# Altium PCB KlusterLab r2.0.PcbDoc (part 13 of 22)
Units mm, origin at the board's own origin, x right, y up, seen from the top; angles counter-clockwise.
Board outline 232 x 250 mm, 12 copper layers (L1 Top, L2 Inner1 (GND), L3 Inner2 (Sig), L4 Inner3 (GND), L5 Inner4 (PWR), L6 Inner5 (PWR), L7 Inner6 (PWR), L8 Inner7 (PWR), L9 Inner8 (GND), L10 Inner9 (Sig), L11 Inner10 (GND), L12 Bottom), stack 1.614 mm thick; 1169 components, 852 nets, 4679 pads, 5115 vias.
Unrouted connection lines stored in the file: 1.
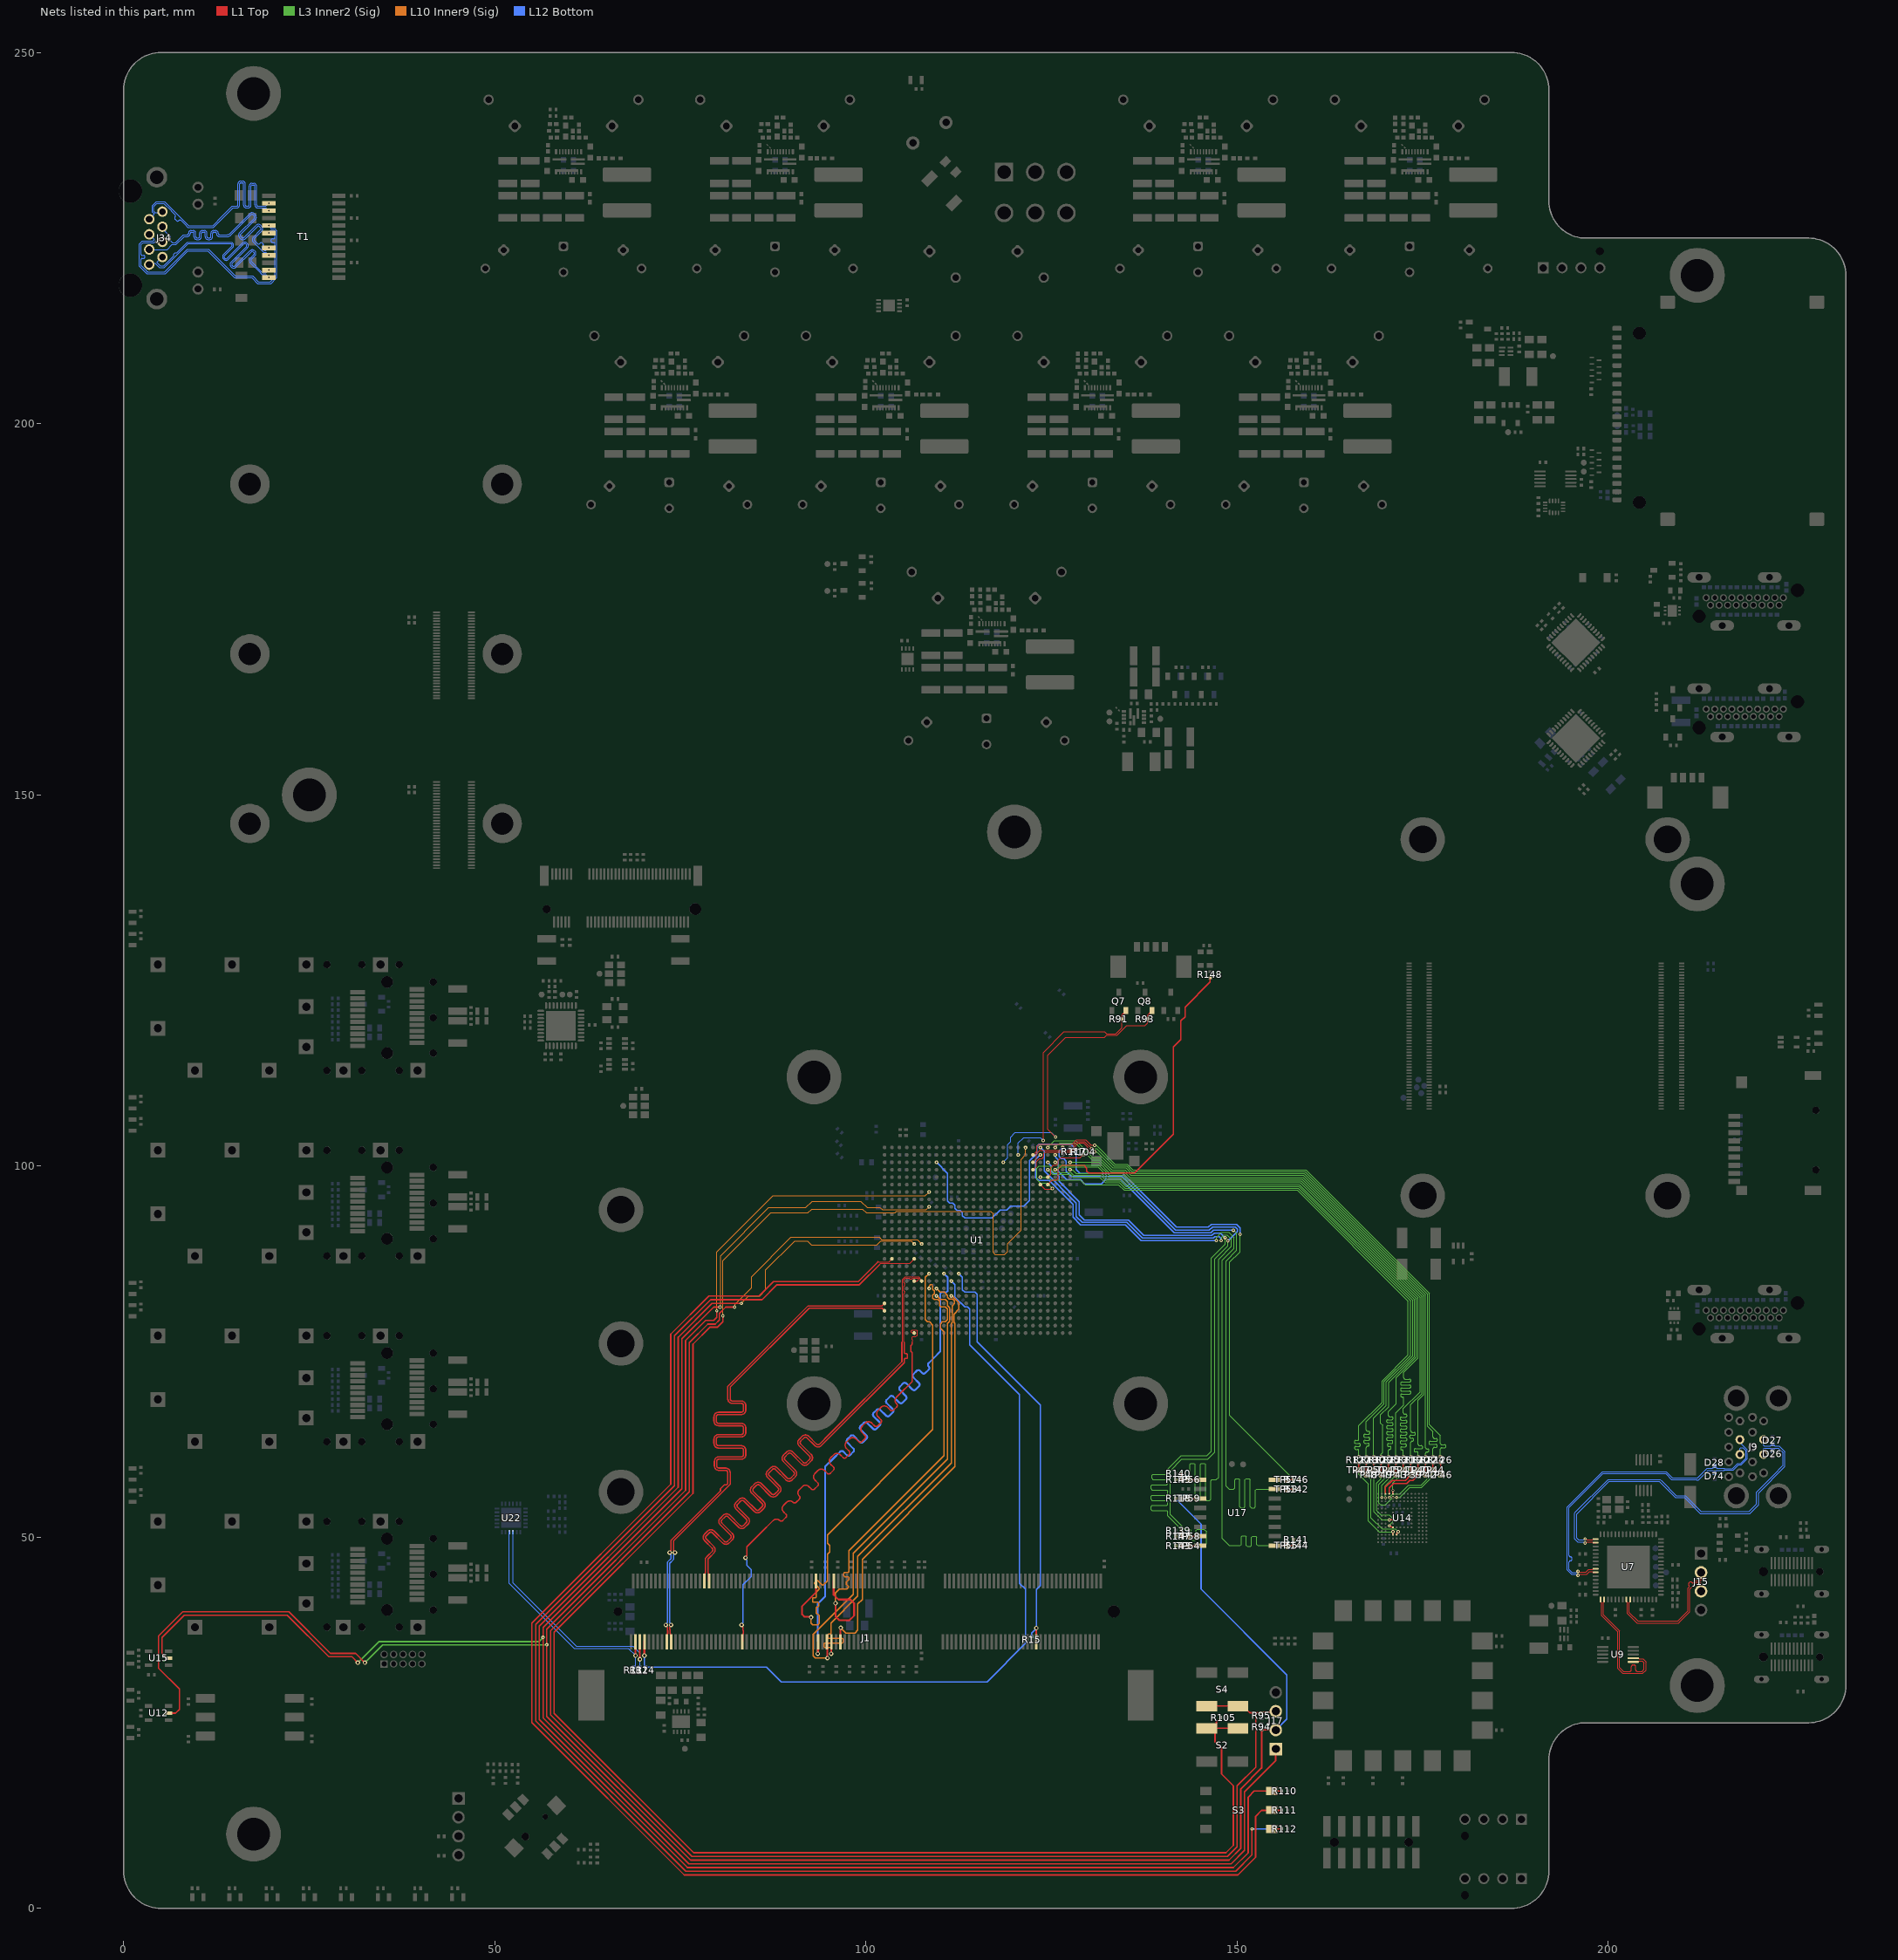
[diagram p23: the nets of this part, all layers, seen from the top]

## Via types
v1: diameter 0.45, hole 0.2, L1 Top to L12 Bottom, tented both sides, 4200 vias
v2: diameter 0.6, hole 0.3, L1 Top to L12 Bottom, tented both sides, 908 vias
v3: diameter 0.4, hole 0.2, L1 Top to L12 Bottom, tented both sides, 7 vias

## Nets (pads, with @x,y where several pads share a name; then routed paths per layer and width w, separated by ;. In a path a pad name is that pad's centre, name@x,y a point inside that pad or via, vN(x,y) a via of type N, cw(c..) or ccw(c..) an arc to the next point about the centre after c; other vN are vias at no path point) (continued)
DDR3_DQS5_P: J1.154 U1.AF5 | length 69.1
  L1 Top w0.1: 106.242,76.242 106.3,76.3 106.3,76.5 106.2,76.6 106.2,76.7 106.2,76.9 106.3,77 106.7,77 106.9,77.2 106.9,77.8 106.8,77.9 106.2,77.9 106.1,77.8 106.1,77.635 106.159,77.577 106.423,77.577 U1.AF5@106.5,77.5
  L1 Top w0.189: v2(83.246,38.171) 83.246,38.059 83.439,37.867 83.439,37.457 83.492,37.404 83.492,37.017 83.431,36.956 83.431,35.981 J1.154@83.35,35.9 ; v2(83.754,47.229) 83.754,47.341 83.946,47.533 83.946,48.692 85.777,50.523 87.507,52.253 cw(c87.94,51.82) 88.374,52.253 ccw(c88.584,52.463) 88.794,52.253 89.214,52.674 ccw(c89.004,52.884) 89.214,53.094 88.892,53.415 cw(c89.326,53.849) 88.892,54.282 89.313,54.702 cw(c89.746,54.269) 90.179,54.702 ; 90.179,54.702 ccw(c90.389,54.912) 90.599,54.702 91.019,55.122 ccw(c90.809,55.332) 91.019,55.542 cw(c91.452,55.976) 91.019,56.409 91.439,56.829 cw(c91.873,56.396) 92.306,56.829 92.652,56.483 ccw(c92.862,56.693) 93.072,56.483 93.492,56.903 ccw(c93.282,57.113) 93.492,57.323 93.114,57.701 cw(c93.548,58.134) 93.114,58.568 93.535,58.988 cw(c93.968,58.555) 94.401,58.988 94.781,58.608 ccw(c94.991,58.818) 95.201,58.608 95.621,59.028 ccw(c95.411,59.238) 95.621,59.448 95.241,59.828 cw(c95.675,60.261) 95.241,60.695 95.662,61.115 cw(c96.095,60.682) 96.528,61.115 96.908,60.735 ccw(c97.118,60.945) 97.328,60.735 97.748,61.155 ccw(c97.538,61.365) 97.748,61.575 97.368,61.955 cw(c97.802,62.388) 97.368,62.822 97.789,63.242 cw(c98.222,62.809) 98.655,63.242 99.035,62.862 ccw(c99.245,63.072) 99.455,62.862 99.875,63.282 ccw(c99.665,63.492) 99.875,63.702 99.495,64.082 cw(c99.928,64.515) 99.495,64.949 99.915,65.369 cw(c100.349,64.936) 100.782,65.369 101.162,64.989 ccw(c101.372,65.199) 101.582,64.989 102.002,65.409 ccw(c101.792,65.619) 102.002,65.829 101.622,66.209 cw(c102.055,66.642) 101.622,67.076 102.042,67.496 cw(c102.476,67.063) 102.909,67.496 103.289,67.116 ccw(c103.499,67.326) 103.709,67.116 104.129,67.536 ccw(c103.919,67.746) 104.129,67.956 104.103,67.982 cw(c104.536,68.416) 104.103,68.849 104.281,69.027 106.242,70.988 106.242,74.844 106.044,75.042 106.044,75.8 106.242,75.998 106.242,76.242
  L12 Bottom w0.189: v2(83.246,38.171) 83.246,38.282 83.439,38.474 83.439,43.585 84.517,44.663 84.517,45.652 83.946,46.224 83.946,46.926 83.754,47.118 v2(83.754,47.229)
DDR3_DQS6_N: J1.169 U1.W5 | length 89.3
  L1 Top w0.1: 105.158,76.242 105.1,76.3 105.1,82.8 105.2,82.9 105.2,83.1 105.1,83.2 105.1,83.8 105.2,83.9 105.2,84.2 105.1,84.3 105.1,84.666 105.334,84.9 105.8,84.9 105.9,84.8 106.2,84.8 106.3,84.9 106.621,84.9 107.041,84.9 107.1,84.841 107.1,84.734 106.866,84.5 U1.W5@106.5,84.5
  L1 Top w0.189: J1.169@78.85,44.1 78.769,44.181 78.769,45.156 78.708,45.217 78.708,47.062 78.897,47.251 79.505,47.859 ccw(c79.072,48.292) 79.505,48.725 78.476,49.755 cw(c78.686,49.965) 78.476,50.175 78.896,50.595 cw(c79.106,50.385) 79.316,50.595 80.699,49.212 ccw(c81.132,49.645) 81.565,49.212 81.986,49.632 ccw(c81.552,50.065) 81.986,50.499 80.585,51.899 cw(c80.795,52.109) 80.585,52.319 81.005,52.74 cw(c81.215,52.53) 81.425,52.74 82.826,51.339 ccw(c83.259,51.772) 83.692,51.339 84.113,51.759 ccw(c83.679,52.192) 84.113,52.626 82.712,54.026 cw(c82.922,54.236) 82.712,54.446 83.132,54.867 cw(c83.342,54.657) 83.552,54.867 84.953,53.466 ccw(c85.386,53.899) 85.819,53.466 86.24,53.886 ccw(c85.806,54.319) 86.24,54.753 84.839,56.153 cw(c85.049,56.363) 84.839,56.573 85.259,56.994 cw(c85.469,56.784) 85.679,56.994 87.08,55.593 ccw(c87.513,56.026) 87.946,55.593 88.367,56.013 ccw(c87.933,56.446) 88.367,56.88 86.966,58.28 cw(c87.176,58.49) 86.966,58.7 87.386,59.121 cw(c87.596,58.91) 87.806,59.121 89.207,57.72 ccw(c89.64,58.153) 90.073,57.72 90.493,58.14 ccw(c90.06,58.573) 90.493,59.007 89.093,60.407 cw(c89.303,60.617) 89.093,60.827 89.513,61.248 cw(c89.723,61.037) 89.933,61.248 91.334,59.847 ccw(c91.767,60.28) 92.2,59.847 92.62,60.267 ; 92.62,60.267 ccw(c92.187,60.7) 92.62,61.134 91.22,62.534 cw(c91.43,62.744) 91.22,62.954 91.64,63.375 cw(c91.85,63.164) 92.06,63.375 93.107,62.328 ccw(c93.54,62.761) 93.974,62.327 95.215,63.569 104.617,72.971 105.158,73.512 105.158,73.893 cw(c105.346,73.893) 105.346,74.081 105.426,74.081 ccw(c105.426,74.241) 105.586,74.241 105.586,74.56 ccw(c105.426,74.56) 105.426,74.72 105.346,74.72 cw(c105.346,74.908) 105.158,74.908 105.158,76.1 105.158,76.242
DDR3_DQS6_P: J1.171 U1.W6 | length 89.4
  L1 Top w0.1: 104.842,76.242 104.9,76.3 104.9,84.749 105.251,85.1 106.883,85.1 ; 106.2,85.1 106.666,85.1 107.124,85.1 107.3,84.924 107.3,84.759 107.5,84.559 U1.W6@107.5,84.5
  L1 Top w0.189: J1.171@78.25,44.1 78.331,44.181 78.331,45.156 78.392,45.217 78.392,47.192 78.674,47.474 79.282,48.082 ccw(c79.072,48.292) 79.282,48.502 78.253,49.532 cw(c78.686,49.965) 78.253,50.398 78.673,50.818 cw(c79.106,50.385) 79.539,50.818 80.922,49.435 ccw(c81.132,49.645) 81.342,49.435 81.762,49.855 ccw(c81.552,50.065) 81.762,50.276 80.362,51.676 cw(c80.795,52.109) 80.362,52.543 80.782,52.963 cw(c81.215,52.53) 81.648,52.963 83.049,51.562 ccw(c83.259,51.772) 83.469,51.562 83.889,51.982 ccw(c83.679,52.192) 83.889,52.403 82.489,53.803 cw(c82.922,54.236) 82.489,54.67 82.909,55.09 cw(c83.342,54.657) 83.775,55.09 85.176,53.689 ccw(c85.386,53.899) 85.596,53.689 86.016,54.109 ccw(c85.806,54.319) 86.016,54.53 84.616,55.93 cw(c85.049,56.363) 84.616,56.796 85.036,57.217 cw(c85.469,56.784) 85.902,57.217 87.303,55.816 ccw(c87.513,56.026) 87.723,55.816 88.143,56.236 ccw(c87.933,56.446) 88.143,56.657 86.743,58.057 cw(c87.176,58.49) 86.743,58.923 87.163,59.344 cw(c87.596,58.91) 88.029,59.344 89.43,57.943 ccw(c89.64,58.153) 89.85,57.943 90.27,58.363 ccw(c90.06,58.573) 90.27,58.783 88.87,60.184 cw(c89.303,60.617) 88.87,61.05 89.29,61.471 cw(c89.723,61.037) 90.156,61.471 91.557,60.07 ccw(c91.767,60.28) 91.977,60.07 92.397,60.49 ccw(c92.187,60.7) 92.397,60.91 90.997,62.311 cw(c91.43,62.744) 90.997,63.177 91.417,63.598 cw(c91.85,63.164) 92.283,63.598 93.33,62.551 ccw(c93.54,62.761) 93.751,62.551 94.992,63.792 104.842,73.642 104.842,76.242
DDR3_DQS7_N: J1.186 U1.AC1 | length 84.4
  L1 Top w0.189: v2(73.746,38.171) 73.746,38.059 73.554,37.867 73.554,37.588 73.608,37.534 73.608,37.017 73.669,36.956 73.669,35.981 J1.186@73.75,35.9 ; v2(74.254,47.929) 74.254,48.041 74.061,48.233 74.061,49.461 81.7,57.1 81.7,57.8 81.7,58.702 ccw(c81.087,58.702) 81.087,59.315 80.187,59.315 cw(c80.187,59.612) 79.889,59.612 79.889,60.206 cw(c80.187,60.206) 80.187,60.503 83.196,60.503 ccw(c83.196,61.116) 83.809,61.116 83.809,61.71 ccw(c83.196,61.71) 83.196,62.323 80.13,62.323 cw(c80.13,62.62) 79.833,62.62 79.833,63.214 cw(c80.13,63.214) 80.13,63.511 83.196,63.511 ccw(c83.196,64.124) 83.809,64.124 83.809,64.718 ccw(c83.196,64.718) 83.196,65.331 80.13,65.331 cw(c80.13,65.628) 79.833,65.628 79.833,66.222 cw(c80.13,66.222) 80.13,66.519 83.196,66.519 ccw(c83.196,67.132) 83.809,67.132 83.809,67.726 ccw(c83.196,67.726) 83.196,68.339 81.997,68.339 cw(c81.997,68.636) 81.7,68.636 81.7,68.888 81.7,70.2 92.342,80.842 102.158,80.842 U1.AC1@102.5,80.5
  L12 Bottom w0.189: v2(73.746,38.171) 73.746,38.282 73.554,38.474 73.554,41.993 73.556,41.995 73.556,46.482 74.061,46.987 74.061,47.626 74.254,47.818 v2(74.254,47.929)
DDR3_DQS7_P: J1.188 U1.AB1 | length 85.1
  L1 Top w0.189: v2(73.046,38.171) 73.046,38.059 73.239,37.867 73.239,37.457 73.292,37.404 73.292,37.017 73.231,36.956 73.231,35.981 J1.188@73.15,35.9 ; v2(73.554,47.929) 73.554,48.041 73.746,48.233 73.746,49.592 80.396,56.242 80.396,56.522 80.932,57.058 81.212,57.058 81.384,57.231 81.384,57.8 81.384,58.702 ccw(c81.087,58.702) 81.087,58.999 80.187,58.999 cw(c80.187,59.612) 79.574,59.612 79.574,60.206 cw(c80.187,60.206) 80.187,60.819 83.196,60.819 ccw(c83.196,61.116) 83.493,61.116 83.493,61.71 ccw(c83.196,61.71) 83.196,62.007 80.13,62.007 cw(c80.13,62.62) 79.518,62.62 79.518,63.214 cw(c80.13,63.214) 80.13,63.827 83.196,63.827 ccw(c83.196,64.124) 83.493,64.124 83.493,64.718 ccw(c83.196,64.718) 83.196,65.015 80.13,65.015 cw(c80.13,65.628) 79.518,65.628 79.518,66.222 cw(c80.13,66.222) 80.13,66.835 83.196,66.835 ccw(c83.196,67.132) 83.493,67.132 83.493,67.726 ccw(c83.196,67.726) 83.196,68.023 81.997,68.023 cw(c81.997,68.636) 81.384,68.636 81.384,68.888 81.384,70.331 92.212,81.158 102.158,81.158 U1.AB1@102.5,81.5
  L12 Bottom w0.189: v2(73.046,38.171) 73.046,38.282 73.239,38.474 73.239,42.124 73.241,42.126 73.241,46.613 73.746,47.118 73.746,47.626 73.554,47.818 v2(73.554,47.929)
DDR3_E\V\E\N\T\: J1.198 R14.1 U1.W10 | length 110.8
  L1 Top w0.249: v2(70.15,34.05) J1.198@70.15,35.9
  L12 Bottom w0.15: v2(70.15,34.05) 70.15,32.635 70.29,32.495 R14.1@70.3,32.495 86.605,32.495 88.6,30.5 116.3,30.5 121.5,35.7 121.5,43 120.7,43.8 120.7,69.2 114,75.9 114,80.7 113.7,81 113.3,81 112,82.3 112,84 v1(111.5,84.5)
DDR3_ODT0: J1.116 U1.AA8 | length 61.5
  L1 Top w0.249: J1.116@94.75,35.9 94.775,35.875 94.775,33.725 v2(94.8,33.7)
  L10 Inner9 (Sig) w0.154: v2(94.8,33.7) 93.2,33.7 92.9,34 92.9,36.9 98.3,42.3 98.3,47.8 111,60.5 111,78.8 111.3,79.1 111.3,80.9 111,81.2 111,81.7 110.7,82 110.059,82 109.561,82.498 v1(109.5,82.498)
DDR3_ODT1: J1.120 U1.V9 | length 79.3
  L1 Top w0.249: v2(93.5,34.3) 93.525,34.325 93.525,35.875 J1.120@93.55,35.9
  L12 Bottom w0.249: v2(93.5,34.3) 93.5,41 94.5,42 94.5,59.5 95.55,60.55 96.521,61.521 cw(c96.742,61.3) 96.963,61.521 97.423,61.062 ccw(c97.643,61.282) 97.864,61.062 98.306,61.503 ccw(c98.085,61.724) 98.306,61.945 97.492,62.758 cw(c97.713,62.979) 97.492,63.2 97.934,63.641 cw(c98.155,63.42) 98.376,63.641 99.189,62.828 ccw(c99.41,63.049) 99.63,62.828 100.072,63.269 ccw(c99.851,63.49) 100.072,63.711 99.259,64.524 cw(c99.48,64.745) 99.259,64.966 99.7,65.407 cw(c99.921,65.187) 100.142,65.407 100.955,64.594 ccw(c101.176,64.815) 101.397,64.594 101.838,65.036 ccw(c101.618,65.257) 101.838,65.477 101.025,66.291 cw(c101.246,66.511) 101.025,66.732 101.467,67.174 cw(c101.688,66.953) 101.908,67.174 102.722,66.361 ccw(c102.942,66.581) 103.163,66.361 103.605,66.802 ccw(c103.384,67.023) 103.605,67.244 102.791,68.057 cw(c103.012,68.278) 102.791,68.499 103.233,68.94 cw(c103.454,68.719) 103.675,68.94 104.488,68.127 ccw(c104.709,68.348) 104.93,68.127 105.371,68.569 ccw(c105.15,68.789) 105.371,69.01 104.558,69.823 cw(c104.779,70.044) 104.558,70.265 104.999,70.707 cw(c105.22,70.486) 105.441,70.707 106.254,69.893 ccw(c106.475,70.114) 106.696,69.893 107.137,70.335 ccw(c106.917,70.556) 107.137,70.776 106.39,71.524 cw(c106.611,71.745) 106.39,71.966 106.831,72.407 cw(c107.052,72.186) 107.273,72.407 107.561,72.119 ccw(c107.782,72.34) 108.003,72.119 108.444,72.561 ccw(c108.223,72.782) 108.444,73.002 cw(c108.665,73.223) 108.444,73.444 109.15,74.15 110,75 110,82.8 110.2,83 110.854,83 111,83.146 111,85 v1(110.5,85.5)
DDR3_R\A\S\: J1.110 U1.AA10 | length 55.9
  L1 Top w0.249: J1.110@96.55,35.9 96.575,35.925 96.575,37.775 v2(96.6,37.8)
  L10 Inner9 (Sig) w0.15: v1(111.5,82.502) 111.581,82.502 111.731,82.352 111.771,82.352 112.5,81.623 112.5,80.7 111.848,80.048 111.848,78.952 112,78.8 112,75.7
  L10 Inner9 (Sig) w0.154: v2(96.6,37.8) 97.3,37.1 98.5,37.1 98.9,37.5 98.9,41 99.5,41.6 99.5,47 112,59.5 112,75.7
DDR3_R\E\S\E\T\: J1.30 R15.1 U1.V11 | length 56.6
  L1 Top w0.249: J1.30@122.95,35.9 v2(122.95,37.75)
  L12 Bottom w0.15: v1(112.5,85.5) 113,85 113,83.3 113.3,83 114.7,83 115,82.7 115,76.3 123.5,67.8 123.5,43.5 122.95,42.95 v2(122.95,37.75) 122.3,37.1 R15.1@122.3,36.595
DDR3_S\0\: J1.114 U1.Y8 | length 64.8
  L1 Top w0.249: v2(95.3,34.3) 95.325,34.325 95.325,35.875 J1.114@95.35,35.9
  L10 Inner9 (Sig) w0.154: v2(95.3,34.3) 95.3,34.916 95.3,34.993 ccw(c95.146,34.993) 95.146,35.147 94.499,35.147 cw(c94.499,35.298) 94.348,35.298 94.348,35.6 cw(c94.499,35.6) 94.499,35.751 96.776,35.751 ccw(c96.776,35.902) 96.927,35.902 96.927,36.204 ccw(c96.776,36.204) 96.776,36.355 95.026,36.355 cw(c95.026,36.506) 94.875,36.506 94.875,36.808 cw(c95.026,36.808) 95.026,36.959 95.146,36.959 ccw(c95.146,37.113) 95.3,37.113 95.3,38.2 95.3,38.441 98.9,42.041 98.9,47.4 111.5,60 111.5,78.804 111.596,78.9 111.596,81.162 111.9,81.467 111.9,81.865 111.665,82.1 111.2,82.1 111,82.3 111,82.569 110.569,83 110,83 v1(109.5,83.5)
DDR3_S\1\: J1.121 U1.V7 | length 66.6
  L1 Top w0.249: v2(92.6,39.2) 92.533,39.267 91.733,39.267 91.4,39.6 91.4,40.7 93.25,42.55 J1.121@93.25,44.1
  L10 Inner9 (Sig) w0.154: v2(92.6,39.2) 92.6,38.4 92.8,38.2 93.5,38.2 93.7,38.4 93.7,39.4 93.3,39.8 93.3,39.844 93.3,40.474 cw(c93.454,40.474) 93.454,40.628 93.486,40.628 ccw(c93.486,40.779) 93.637,40.779 93.637,41.081 ccw(c93.486,41.081) 93.486,41.232 92.951,41.232 cw(c92.951,41.383) 92.8,41.383 92.8,41.685 cw(c92.951,41.685) 92.951,41.836 93.146,41.836 ccw(c93.146,41.99) 93.3,41.99 93.3,42.6 93.371,42.671 93.405,42.705 93.644,42.944 ccw(c93.535,43.053) 93.644,43.162 93.107,43.699 cw(c93.213,43.806) 93.107,43.913 93.32,44.126 cw(c93.427,44.02) 93.534,44.126 94.071,43.589 ccw(c94.18,43.698) 94.289,43.589 94.771,44.071 94.823,44.123 94.823,47.7 95.1,47.977 95.1,48.9 94.823,49.177 94.823,50.323 109,64.5 109,78.569 108.569,79 108.3,79 108,79.3 108,85 v1(108.5,85.5)
DDR3_SCL: J1.202 R13.1 U22.4 | length 31.5
  L1 Top w0.249: v2(68.95,34.05) J1.202@68.95,35.9
  L12 Bottom w0.1: U22.4@51.95,50.688 51.95,43.75 60.7,35 68,35 v2(68.95,34.05) 68.95,32.745 68.89,32.685 68.89,32.635 68.75,32.495 R13.1@68.7,32.495
DDR3_SDA: J1.200 R12.1 U22.3 | length 32.1
  L1 Top w0.249: v2(69.55,33.55) J1.200@69.55,35.9
  L12 Bottom w0.1: U22.3@52.45,50.688 52.45,43.85 61,35.3 68.6,35.3 69.55,34.35 v2(69.55,33.55) 69.55,32.545 R12.1@69.5,32.495
DDR3_W\E\: J1.113 U1.Y7 | length 65.6
  L1 Top w0.249: J1.113@95.65,44.1 95.65,42.25 96.3,41.6 97.9,41.6 98.4,41.1 98.4,39.446 97.754,38.8 96.4,38.8 95.9,39.3 v2(95.9,41.1)
  L10 Inner9 (Sig) w0.154: v2(95.9,41.1) 95.9,42.5 96.4,43 97.4,43 97.636,43.236 97.636,43.364 97.35,43.65 97.35,43.95 97.7,44.3 97.7,44.424 97.7,44.501 ccw(c97.546,44.501) 97.546,44.655 97.174,44.655 cw(c97.174,44.806) 97.023,44.806 97.023,45.108 cw(c97.174,45.108) 97.174,45.259 97.546,45.259 ccw(c97.546,45.413) 97.7,45.413 97.7,46.25 97.7,48.2 110.5,61 110.5,77.7 110.054,78.146 110.054,78.754 110.3,79 110.7,79 111,79.3 111,80.7 110.7,81 110.1,81 109.9,81.2 109.9,81.4 109.902,81.402 109.902,81.798 109.7,82 109.2,82 109,82.2 109,82.612 109.2,82.812 109.2,83.2 109,83.4 109,83.9 108.9,84 108.7,84 108.5,83.8 v1(108.5,83.5)
DS1_D_N: D26.2 J9.2 U7.2 | length 47.6
  L1 Top w0.146: v1(196.886,49.218) 196.968,49.218 197.113,49.364 197.887,49.364 198.001,49.25 U7.2@198.3,49.25
  L12 Bottom w0.146: v1(196.886,49.218) 196.804,49.218 196.666,49.357 195.893,49.357 195.539,49.711 195.459,49.791 195.459,53.246 195.539,53.325 199.987,57.773 206.978,57.773 207.138,57.613 209.139,55.611 210.375,55.611 210.535,55.452 212.513,53.473 218.972,53.473 219.961,54.462 219.961,56.075 222.413,58.528 223.434,59.548 223.534,59.648 223.534,61.399 222.92,62.012 222.421,62.012 222.336,61.926 222.336,61.875 D26.2@222.134,61.673 221.932,61.875 221.932,61.926 221.846,62.012 221.019,62.012 220.934,61.926 J9.2@220.934,61.148
DS1_D_P: D27.2 J9.3 U7.1 | length 47.6
  L1 Top w0.146: v1(196.886,49.768) 196.968,49.768 197.1,49.637 197.887,49.636 198.001,49.75 U7.1@198.3,49.75
  L12 Bottom w0.146: v1(196.886,49.768) 196.804,49.768 196.666,49.63 196.006,49.63 195.732,49.904 195.732,53.132 200.1,57.5 206.865,57.5 209.026,55.338 210.262,55.338 212.4,53.2 219.085,53.2 220.234,54.348 220.234,55.962 223.807,59.535 223.807,61.512 223.034,62.285 222.421,62.285 222.336,62.37 222.336,62.421 D27.2@222.134,62.623 221.932,62.421 221.932,62.37 221.846,62.285 221.019,62.285 220.934,62.37 J9.3@220.934,63.148
DS2_D_N: D28.2 J9.11 U7.10 | length 43.5
  L1 Top w0.146: v1(195.923,44.855) 196.005,44.855 196.15,45 197.1,45 197.464,45.364 197.887,45.364 198.001,45.25 U7.10@198.3,45.25
  L12 Bottom w0.1: 215.597,59.285 215.634,59.248 216.751,59.248 217.451,59.948 217.834,59.948 218.534,60.648 218.534,61.648 218.334,61.848 218.134,62.048 217.834,62.048 217.734,61.948 J9.11@217.734,61.148
  L12 Bottom w0.146: v1(195.923,44.855) 195.841,44.855 195.702,44.993 195.057,44.993 194.477,45.573 194.477,54.077 199.2,58.8 207.829,58.8 208.64,57.988 212.038,57.988 213.335,59.285 214.046,59.285 214.132,59.37 214.132,59.421 D28.2@214.334,59.623 214.536,59.421 214.536,59.37 214.621,59.285 214.828,59.285 215.597,59.285
DS2_D_P: D74.2 J9.12 U7.9 | length 43.6
  L1 Top w0.146: v1(195.923,45.405) 196.005,45.405 196.136,45.273 196.987,45.273 197.35,45.637 197.887,45.637 198.001,45.75 U7.9@198.3,45.75
  L12 Bottom w0.1: 215.597,59.012 215.634,59.048 216.834,59.048 217.534,59.748 217.916,59.748 218.734,60.566 218.734,61.731 218.616,61.848 217.944,62.521 217.944,62.938 J9.12@217.734,63.148
  L12 Bottom w0.146: v1(195.923,45.405) 195.841,45.405 195.702,45.267 195.137,45.267 194.727,45.677 194.727,46.028 194.727,46.647 cw(c194.891,46.647) 194.891,46.81 194.931,46.81 ccw(c194.931,46.974) 195.095,46.974 195.095,47.193 ccw(c194.931,47.193) 194.931,47.356 194.891,47.356 cw(c194.891,47.52) 194.727,47.52 194.727,49.35 194.727,53.973 199.304,58.55 207.725,58.55 208.537,57.738 211.925,57.738 211.937,57.727 212.163,57.727 212.243,57.807 213.448,59.012 214.046,59.012 214.132,58.926 214.132,58.875 D74.2@214.334,58.673 214.536,58.875 214.536,58.926 214.621,59.012 214.941,59.012 215.597,59.012
DS3_D_N: U7.18 U9.6 | length 17.5
  L1 Top w0.146: U7.18@199.45,41.6 199.45,41.297 199.354,41.201 199.354,39.546 201.453,37.447 201.533,37.367 201.533,32.433 202.037,31.93 202.567,31.93 202.912,31.93 ccw(c202.912,32.148) 203.13,32.148 203.13,32.575 cw(c203.348,32.575) 203.348,32.793 203.458,32.793 cw(c203.458,32.575) 203.676,32.575 203.676,32.148 ccw(c203.894,32.148) 203.894,31.93 204.513,31.93 204.559,31.93 204.687,32.057 204.815,32.185 204.815,33.066 204.571,33.309 204.147,33.309 204.038,33.2 U9.6@203.367,33.2
DS3_D_P: U7.17 U9.7 | length 17.5
  L1 Top w0.146: U7.17@198.95,41.6 198.95,41.319 199.081,41.187 199.081,39.433 201.26,37.254 201.26,32.32 201.923,31.657 204.635,31.657 205.088,32.11 205.088,33.179 204.685,33.583 204.148,33.583 204.031,33.7 U9.7@203.367,33.7
DS4_D_N: J15.2 U7.25 | length 17.5
  L1 Top w0.146: U7.25@202.95,41.6 202.95,41.301 202.836,41.187 202.836,39.85 203.986,38.7 209.368,38.7 210.745,40.076 210.745,41.483 210.745,42.7 210.745,43.137 210.879,43.271 ccw(c210.763,43.387) 210.879,43.502 210.843,43.538 cw(c210.959,43.654) 210.843,43.77 210.997,43.924 cw(c211.113,43.808) 211.229,43.924 211.265,43.889 ccw(c211.381,44.004) 211.496,43.889 211.721,44.113 212.379,44.113 212.4,44.113 212.5,44.213 J15.2@212.5,45.26
DS4_D_P: J15.3 U7.24 | length 17.5
  L1 Top w0.146: U7.24@202.45,41.6 202.45,41.301 202.563,41.187 202.563,39.737 203.873,38.427 209.359,38.427 209.372,38.44 209.485,38.44 209.632,38.587 209.632,38.596 210.991,39.955 210.991,39.974 210.991,41.585 210.991,43.035 211.823,43.867 212.4,43.867 212.5,43.767 J15.3@212.5,42.72
eMMC.CLK: R128.1 U1.D23 | length 82.8
  L3 Inner2 (Sig) w0.1: v1(124.5,99.5) 125.116,98.884 127.529,98.884 127.921,98.492 131.505,98.492 132.247,97.75 134.149,97.75 134.899,97 158.214,97 173.35,81.864 173.35,74.5 169.816,70.966 169.816,67.976 167.4,65.56 167.4,64.507 167.4,64.457 ccw(c167.6,64.457) 167.6,64.257 167.683,64.257 cw(c167.683,64.057) 167.683,63.857 167.239,63.857 ccw(c167.239,63.657) 167.239,63.457 167.683,63.457 cw(c167.683,63.257) 167.683,63.057 167.251,63.057 ccw(c167.251,62.857) 167.251,62.657 167.6,62.657 cw(c167.6,62.457) 167.6,62.257 ccw(c167.6,62.057) 167.4,62.057 167.4,61.355 167.4,60.829 v1(167.395,60.824)
eMMC.CMD: R127.1 U1.E22 | length 82.3
  L3 Inner2 (Sig) w0.1: v1(123.5,98.5) 124.52,98.5 124.895,98.125 128.905,98.125 129.53,97.5 134.035,97.5 134.785,96.75 158.111,96.75 173.05,81.811 173.05,74.55 169.55,71.05 169.55,68.168 166.395,65.013 166.395,63.678 166.395,63.228 cw(c166.195,63.228) 166.195,63.028 165.983,63.028 ccw(c165.983,62.828) 165.983,62.628 166.408,62.628 cw(c166.408,62.428) 166.408,62.228 166.018,62.228 ccw(c166.018,62.028) 166.018,61.828 166.195,61.828 cw(c166.195,61.628) 166.395,61.628 166.395,61.256 v1(166.395,60.824)